# Altium PCB SJ2088POE.PcbDoc (part 6 of 6)
Units mm, origin at the board's own origin, x right, y up, seen from the top; angles counter-clockwise.
Board outline 108 x 50 mm, 6 copper layers (Top Copper, Signal Layer 1, Signal Layer 2, Signal Layer 3, Signal Layer 4, Bottom Copper), stack 1.597 mm thick; 309 components, 234 nets, 1140 pads, 893 vias.
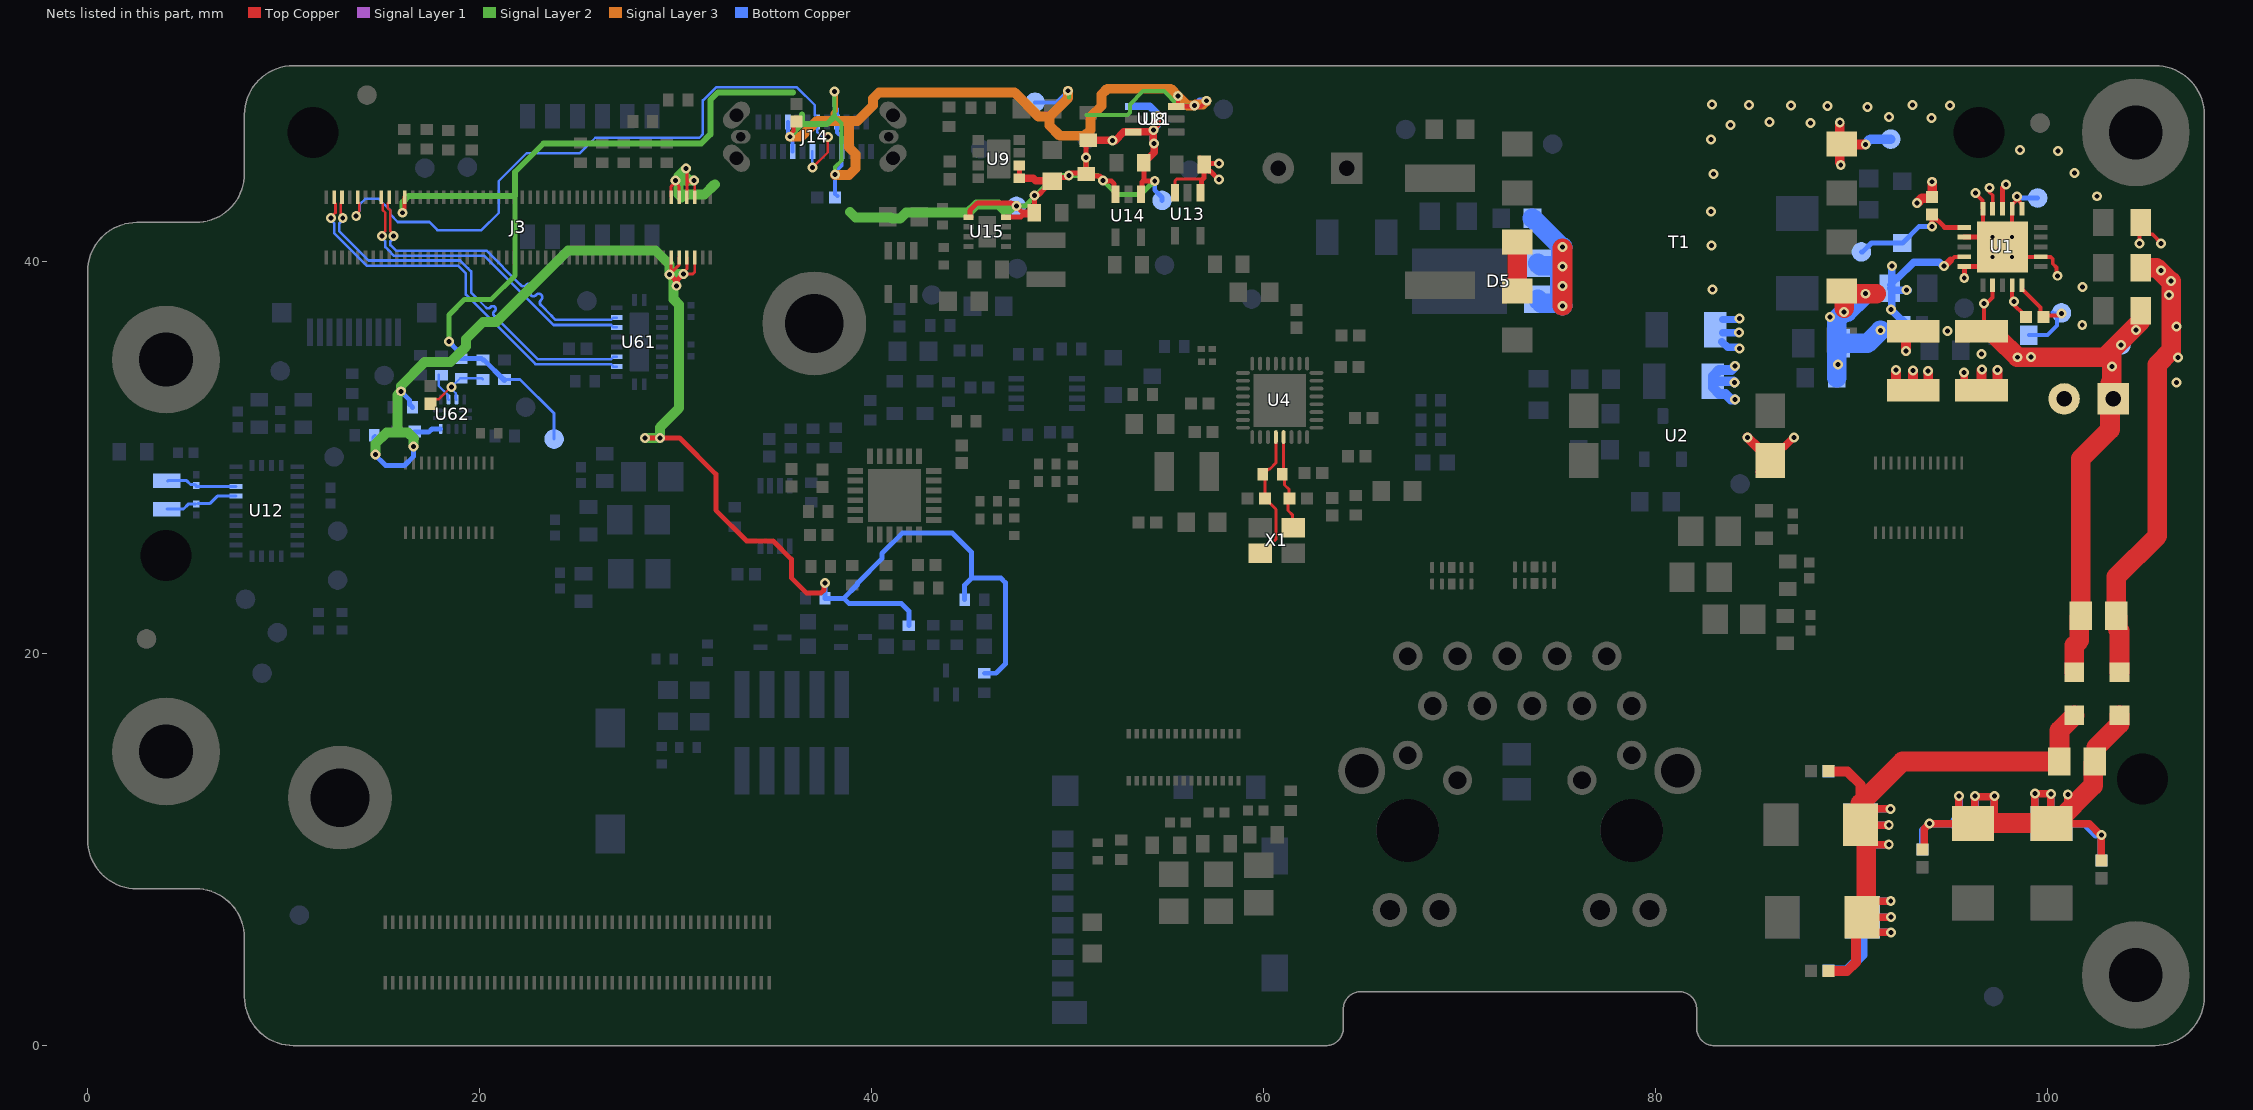
[diagram p10: the nets of this part, all layers, seen from the top]

## Via types
v1: diameter 0.508, hole 0.254, Top Copper to Bottom Copper, tented both sides, 883 vias
v2: diameter 0.406, hole 0.203, Top Copper to Bottom Copper, 10 vias

## Nets (pads, with @x,y where several pads share a name; then routed paths per layer and width w, separated by ;. In a path a pad name is that pad's centre, name@x,y a point inside that pad or via, vN(x,y) a via of type N, cw(c..) or ccw(c..) an arc to the next point about the centre after c; other vN are vias at no path point) (continued)
USB_D_P: J3.92 J14.A6 J14.B6 | length 36
  Top Copper w0.13: v1(13.702,42.325) 13.702,42.427 13.845,42.571 13.845,42.968 13.808,43.005 13.8,43.005 13.775,43.03 J3.92@13.775,43.29 ; v1(36.989,44.809) 37.763,45.583 v1(37.763,46.362)
  Bottom Copper w0.13: v1(13.702,42.325) 13.702,42.422 13.87,42.59 13.87,42.908 14.162,43.2 14.85,43.2 15.446,42.604 15.446,42.4 15.821,42.025 17.433,42.025 17.846,41.612 20.092,41.612 20.975,42.495 20.975,44.108 22.402,45.535 25.109,45.535 25.899,46.325 31.209,46.325 31.394,46.511 31.394,48.23 32.061,48.897 36.19,48.897 37.105,47.982 37.105,47.477 37.225,47.357 J14.A6@37.225,47.132 37.225,46.617 37.433,46.408 37.717,46.408 v1(37.763,46.362)
  Bottom Copper w0.139: v1@13.677,42.325 v1@13.677,42.425 ; v1@13.702,42.422 v1@13.702,42.425 ; J14.B6@36.975,45.622 36.975,44.823 v1(36.989,44.809)
USB_PORT: R32.1 U62.4 | length 1.5
  Bottom Copper w0.127: R32.1@17.915,34.24 17.915,33.66 18.378,33.197 18.378,33.001 U62.4@18.415,32.965
USB_RX_N: J3.96 U61.4 | length 20.3
  Top Copper w0.13: 12.905,42.488 12.905,42.49 ; J3.96@12.975,43.29 12.975,43.03 12.905,42.96 12.905,42.49 ; v1(13.014,42.225) 12.942,42.297 12.942,42.453 12.905,42.49
  Top Copper w0.139: v1(13.014,42.225) v1@13.014,42.269
  Bottom Copper w0.13: v1(13.014,42.225) 13.014,42.128 12.846,41.96 12.846,41.55 14.336,40.06 19.002,40.06 19.378,39.684 19.408,39.654 19.56,39.502 19.56,38.424 20.309,37.675 ; 20.327,37.657 ccw(c20.43,37.76) 20.533,37.657 20.569,37.693 cw(c20.672,37.59) 20.775,37.693 cw(c20.672,37.59) 20.775,37.487 20.737,37.449 ccw(c20.839,37.347) 20.737,37.244 ccw(c20.839,37.347) 20.942,37.244 20.98,37.282 cw(c21.083,37.179) 21.186,37.282 cw(c21.083,37.179) 21.186,37.076 21.15,37.04 ccw(c21.253,36.937) 21.15,36.834 ; 21.162,36.822 22.29,35.694 22.382,35.602 22.956,35.028 26.705,35.028 26.825,35.148 U61.4@27,35.148
USB_RX_P: J3.98 U61.3 | length 19.9
  Top Copper w0.13: v1@12.417,42.275 12.645,42.502 12.645,42.96 12.575,43.03 J3.98@12.575,43.29
  Top Copper w0.139: v1(12.417,42.225) v1@12.417,42.275
  Bottom Copper w0.13: v1(12.417,42.225) 12.417,42.128 12.586,41.96 12.586,41.442 14.228,39.8 18.894,39.8 19.3,39.394 19.3,38.317 22.848,34.768 26.705,34.768 26.825,34.648 U61.3@27,34.648
USB_TX_N: J3.84 U61.8 | length 16.8
  Top Copper w0.13: J3.84@15.375,43.29 15.375,43.03 15.305,42.96 15.305,42.745 15.446,42.604 15.446,41.565 15.614,41.397 v1(15.614,41.3)
  Bottom Copper w0.13: v1(15.614,41.3) 15.614,41.198 15.446,41.029 15.446,40.852 15.738,40.56 20.345,40.56 22.063,38.842 22.109,38.796 ccw(c22.236,38.923) 22.362,38.796 22.385,38.819 cw(c22.512,38.692) 22.638,38.819 cw(c22.512,38.692) 22.638,38.566 22.613,38.541 ccw(c22.74,38.414) 22.613,38.288 ccw(c22.74,38.414) 22.866,38.288 22.891,38.313 cw(c23.018,38.186) 23.144,38.313 cw(c23.018,38.186) 23.144,38.059 23.122,38.037 ccw(c23.248,37.91) 23.122,37.783 23.652,37.253 23.698,37.207 23.877,37.028 26.705,37.028 26.825,37.148 U61.8@27,37.148
USB_TX_P: J3.86 U61.7 | length 16.3
  Top Copper w0.13: J3.86@14.975,43.29 14.975,43.03 15.045,42.96 15.045,42.637 15.186,42.497 15.186,41.565 15.017,41.397 v1(15.017,41.3)
  Bottom Copper w0.13: v1(15.017,41.3) 15.017,41.203 15.186,41.035 15.186,40.745 15.338,40.592 15.63,40.3 20.237,40.3 23.757,36.78 23.769,36.768 24.596,36.768 26.705,36.768 26.825,36.648 U61.7@27,36.648
VBUS: C73.2 C207.2 J3.80 J14.A4 J14.A9 J14.B4 J14.B9 R183.2 R187.1 R190.1 TP20.1 TP40.1 U8.3 U11.1 | length 106.7
  Top Copper w0.203: v1@16.065,42.522 16.065,42.604 16.163,42.703 16.163,43.278 J3.80@16.175,43.29 ; v1@35.825,46.4 35.825,46.482 36.009,46.666 36.009,46.984 C73.2@36.175,47.15 ; v1(55.628,48.455) 55.628,47.998 U8.3@55.578,47.948 ; v1(56.464,47.972) 56.44,47.948 U8.3@55.578,47.948 ; v1(57.095,48.212) 56.808,47.925 U8.3@55.555,47.925 ; U8.3@55.555,47.925 U8.3@55.545,47.925 55.568,47.948 U8.3@55.578,47.948 ; U8.3@55.555,47.925 U8.3@55.578,47.948
  Signal Layer 2 w0.203: v1(38.113,48.674) 38.113,47.412 38.475,47.05 38.475,45.175 38.143,44.843 v1(38.143,44.445) ; v1@50.012,48.725 v1(50.015,48.722) 50.067,48.67 50.067,48.39 ; 50.967,47.49 53.056,47.49 53.175,47.609 53.175,48.025 53.85,48.7 54.913,48.7 55.641,47.972 v1(56.464,47.972)
  Signal Layer 2 w0.254: v1(18.433,35.92) 18.433,37.283 19.225,38.075 20.588,38.075 21.802,39.288 21.802,43.35
  Signal Layer 2 w0.305: v1@16.065,42.522 16.067,42.524 16.067,43.042 16.375,43.35 21.802,43.35 21.802,44.577 23.256,46.031 31.306,46.031 31.775,46.5 31.775,48.25 32.162,48.637 35.988,48.637 ; v1@35.825,46.4 36.45,47.025 ; 36.45,47.5 36.45,47.025 ; 38.113,47.412 37.726,47.025 36.45,47.025
  Signal Layer 3 w0.254: 38.022,47.175 38.022,47.572 38.15,47.7 38.15,48.637 v1(38.113,48.674)
  Signal Layer 3 w0.508: v1(35.825,46.375) 36.4,46.375 37.2,47.175 38.022,47.175 38.845,47.175 ; v1@38.137,44.425 38.85,44.425 39.175,44.75 39.175,45.5 38.845,45.83 38.845,47.175 ; v1(50.015,48.722) 50.015,48.34 49.075,47.4 ; v1(57.095,48.212) 56.915,48.032 56.524,48.032 v1(56.464,47.972) 56.112,47.972 55.87,48.213 v1(55.628,48.455) 55.258,48.825 52.023,48.825 51.725,48.527 51.725,47.95 51.175,47.4 51.175,46.723 50.877,46.425 49.6,46.425 49.075,46.95 49.075,47.4 ; 38.845,47.175 39.275,47.175 40.075,47.975 40.075,48.334 40.373,48.632 40.793,48.632 40.8,48.625 47.3,48.625 48.525,47.4 49.075,47.4
  Bottom Copper w0.152: R183.2@21.264,33.99 22.06,33.99 23.8,32.25 TP40.1@23.8,30.95
  Bottom Copper w0.203: v1@35.725,46.5 J14.A9@35.725,47.132 ; J14.B4@35.975,45.622 v1@35.975,46.25 ; v1(38.113,48.674) 38.113,47.912 38.225,47.8 J14.A4@38.225,47.132 38.234,47.123 38.234,46.591 38.475,46.35 J14.B9@38.475,45.622 38.475,44.9 38.143,44.568 v1(38.143,44.445) 38.143,43.457 C207.2@38.25,43.35 ; TP20.1@48.339,48.134 49.428,48.134 v1(50.015,48.722) ; v1(55.628,48.455) 55.628,47.998 U11.1@55.578,47.948 ; v1(56.464,47.972) v1@56.44,47.948 ; v1@56.496,47.948 v1@56.44,47.948 ; v1@57.071,48.187 v1(57.095,48.212) ; U11.1@55.578,47.948 56.406,47.948 v1@56.44,47.948 ; U11.1@55.578,47.948 55.555,47.925 U11.1@55.545,47.925 55.568,47.948 U11.1@55.578,47.948
  Bottom Copper w0.254: v1(18.433,35.92) 18.864,35.489 18.864,35.2 19.012,35.052 R187.1@19.058,35.052 20.102,35.052 R190.1@20.164,34.99 ; R190.1@20.214,34.99 21.264,33.94 R183.2@21.264,33.99
  Bottom Copper w0.381: U11.1@55.555,47.925 56.383,47.925 v1@56.406,47.948 ; v1@56.496,47.948 56.736,48.187 v1@57.071,48.187
  other v1: 16.065,42.497
VBUS_DET: C97.2 R187.2 R190.2 U62.5 | length 4
  Top Copper w0.127: C97.2@17.491,32.752 17.711,32.972 17.907,32.972 v1(18.551,33.616)
  Bottom Copper w0.127: v1@18.523,33.588 18.523,33.541 18.778,33.286 18.778,33.001 U62.5@18.815,32.965 ; v1(18.551,33.616) 18.572,33.616 19.008,34.052 20.102,34.052 R190.2@20.164,33.99
VDD: C22.2 R12.2 TP11.1 U1.5 | length 6
  Top Copper w0.203: U1.5@98.7,38.8 98.7,38.575 98.723,38.552 98.746,38.552 99.634,37.663 99.634,37.35 C22.2@99.718,37.266 ; C22.2@99.634,37.295 99.663,37.266 C22.2@99.718,37.266 ; C22.2@99.8,37.184 C22.2@99.718,37.266 ; v1(100.712,37.353) 100.629,37.353 100.542,37.266 C22.2@99.718,37.266
  Bottom Copper w0.203: R12.2@99.05,36.25 100,36.25 100.496,36.746 100.496,37.329 TP11.1@100.57,37.403 ; TP11.1@100.25,37.4 100.297,37.353 v1(100.712,37.353)
VDD_5V: C56.2 C61.2 C62.2 C63.2 C65.2 C67.2 C76.2 J3.5 J3.6 J3.7 J3.8 J3.9 J3.10 J3.11 J3.12 R53.2 R54.2 R55.2 R56.2 R213.2 R214.2 TP4.1 TP15.1 U8.6 U9.1 U9.2 U11.6 U13.1 U13.3 U14.1 U14.3 U15.1 U15.8 U62.12 | length 152.5
  Top Copper w0.152: J3.11@29.775,40.21 29.775,39.526 29.698,39.449 v1(29.698,39.353) 30.161,39.816 30.161,40.196 J3.9@30.175,40.21 ; J3.12@29.775,43.29 29.775,43.846 29.986,44.057 30.175,43.869 J3.10@30.175,43.29 ; v1(30.527,44.744) 30.575,44.696 30.575,43.993 ; J3.7@30.575,40.21 30.575,39.636 30.404,39.465 v1(30.404,39.382) 30.882,39.382 30.975,39.475 J3.5@30.975,40.21 ; J3.8@30.575,43.29 30.575,43.993 ; J3.6@30.975,43.29 30.975,44.108 v1(30.943,44.141) 30.875,44.073 30.655,44.073 30.575,43.993 ; C61.2@50.9,44.475 C61.2@50.945,44.475 ; U13.3@55.475,43.525 55.475,44.126 55.564,44.215 56.891,44.215 ; 56.891,44.278 56.954,44.278
  Top Copper w0.254: v1(28.425,31) v1(29.2,31) 30.207,31 32.05,29.157 32.05,27.325 33.625,25.75 34.975,25.75 35.9,24.825 35.9,23.866 36.666,23.1 37.425,23.1 37.577,23.252 37.577,23.548 v1(37.624,23.595) ; v1(29.698,39.353) 29.698,39.344 30,39.042 30,38.82 v1(30.049,38.771) 30.097,38.82 30.097,39.075 v1(30.404,39.382) ; U15.1@44.95,42.275 U15.1@45.01,42.275 ; U15.1@45.073,42.288 45.06,42.275 U15.1@45.01,42.275 ; U15.8@46.85,42.275 46.86,42.285 47.62,42.285 47.723,42.388 48.082,42.388 C67.2@48.082,42.525 ; v1@47.45,42.831 v1(47.381,42.831) ; U9.1@47.535,44.258 U9.2@47.535,44.908 ; C67.2@48.305,42.5 C67.2@48.305,42.525 ; C61.2@50.9,44.475 51.003,44.372 51.628,44.372 51.8,44.2 v1(51.8,44.15) 51.8,44.1 51.825,44.125 52.228,44.125 52.377,43.976 52.377,43.773 52.45,43.7 U14.3@52.45,43.45 ; C61.2@50.9,44.525 50.175,44.525 v1(50.059,44.409) 49.943,44.293 49.402,44.293 C56.2@49.211,44.102 49.209,44.1 49.159,44.1 48.838,43.779 48.838,43.729 48.537,43.428 48.362,43.428 v1(48.314,43.379) 48.314,42.534 C67.2@48.305,42.525 ; C61.2@50.945,44.475 v1(50.945,45.325) 50.945,46.175 52.178,46.175 v1@52.199,46.196 ; U14.1@53.75,43.45 53.803,43.503 53.803,44.078 53.843,44.118 ; C65.2@53.892,45.054 53.892,44.167 53.843,44.118 ; v1@54.309,46.723 54.343,46.723 v1(54.377,46.723) ; v1(54.446,44.118) 53.843,44.118 ; v1(54.585,47.443) v1@54.585,47.507 ; C63.2@56.742,45.284 56.752,45.284 C63.2@56.975,45.061 ; U13.1@56.775,43.525 56.828,43.578 56.828,44.153 56.954,44.278 56.954,45.04 C63.2@56.975,45.061 ; v1(57.718,44.189) 57.27,44.638 57.198,44.638 56.975,44.861 C63.2@56.975,44.961 ; v1(57.728,45.001) 57.016,45.001 C63.2@56.975,44.961 ; U15.1@45.01,42.275 45.023,42.288 45.023,42.623 45.4,43 47.105,43 47.147,42.958 47.185,42.958 47.312,42.831 v1(47.381,42.831) ; v1(47.381,42.831) 47.688,42.525 C67.2@48.082,42.525 ; C67.2@48.082,42.525 48.082,42.748 C67.2@48.305,42.525 ; C67.2@48.082,42.525 C67.2@48.305,42.525 ; C63.2@56.975,44.961 C63.2@56.975,45.061
  Top Copper w0.381: U9.1@47.535,44.258 47.543,44.25 48.25,44.25 48.362,44.138 49.175,44.138 C56.2@49.211,44.102 ; C62.2@51.045,46.196 v1@52.199,46.196 ; v1@52.178,46.175 52.425,46.175 52.875,46.625 U8.6@53.345,46.625 54.245,46.625 v1@54.343,46.723 ; C65.2@53.892,45.054 53.892,45.154 54.052,45.313 54.152,45.313 54.411,45.573 v1(54.411,46.033) 54.411,46.068 54.377,46.101 v1(54.377,46.723) ; v1@54.309,46.723 54.585,46.999 v1(54.585,47.443)
  Signal Layer 2 w0.152: v1@30.15,44.141 v1(30.943,44.141) 30.595,44.488 30.595,44.676 v1(30.527,44.744) ; v1@30.15,44.295 v1@30.527,44.672
  Signal Layer 2 w0.254: v1(47.381,42.831) 47.823,42.831 49.4,44.409 v1(50.059,44.409) 50.792,44.409 ; v1(50.945,45.325) 50.945,44.563 50.792,44.409 ; v1@54.264,43.964 53.725,43.425 52.525,43.425 v1(51.8,44.15) 51.783,44.15 51.524,44.409 50.792,44.409 ; v1@54.277,43.95 v1(54.446,44.118)
  Signal Layer 2 w0.508: v1(14.691,30.156) 14.691,30.716 15.25,31.275 15.8,31.275 ; v1(16.629,30.575) 16.629,30.951 16.652,30.973 16.35,31.275 15.8,31.275 ; v1(28.425,31) v1(29.2,31) 29.2,31.55 30.175,32.525 30.175,37.806 29.9,38.081 29.9,39.151 v1(29.698,39.353) 29.698,39.852 29.336,40.214 28.975,40.575 24.5,40.575 20.85,36.925 20.175,36.925 19.3,36.05 19.3,35.663 18.512,34.875 17.193,34.875 15.98,33.661 v1(15.98,33.388) 15.8,33.208 15.8,31.275 ; v1@29.9,39.382 v1(30.404,39.382) ; v1(29.986,44.131) v1@30.15,44.131 ; 30.3,43.286 30.161,43.425 ; v1(30.527,44.744) 30.15,44.367 30.15,44.295 30.15,44.141 v1@30.15,44.131 ; v1(30.943,44.141) 30.933,44.131 v1@30.15,44.131 ; 32,43.95 31.475,43.425 30.161,43.425 ; 38.895,42.53 39.175,42.25 41,42.25 41.04,42.21 41.46,42.21 41.75,42.5 44.925,42.5 45.35,42.925 46.475,42.925 46.871,42.529 47.173,42.831 v1(47.381,42.831) ; v1@30.15,44.131 30.15,43.436 30.161,43.425
  Bottom Copper w0.254: R213.2@14.65,31.075 14.6,31.025 14.6,30.2 15.2,29.6 16.163,29.6 16.629,30.066 v1(16.629,30.575) 16.671,30.617 16.671,31.309 16.68,31.3 17.4,31.3 17.565,31.465 U62.12@18.015,31.465 ; v1(15.98,33.388) 16.431,32.937 16.431,32.72 R214.2@16.579,32.572 ; v1(37.624,23.595) 37.625,23.593 R56.2@37.625,22.825 38.575,22.825 ; R53.2@41.9,21.425 41.9,22.175 41.525,22.55 38.85,22.55 38.575,22.825 ; R55.2@44.75,22.75 44.75,23.5 45.1,23.85 ; R54.2@45.75,19 46.35,19 46.825,19.475 46.825,23.625 46.6,23.85 45.1,23.85 ; TP4.1@47.25,42.973 TP4.1@47.396,42.827 ; v1(47.381,42.831) TP4.1@47.396,42.816 ; TP4.1@47.396,42.695 TP4.1@47.396,42.816 ; TP4.1@47.396,42.896 TP4.1@47.396,42.827 ; v1(54.377,46.723) 54.377,46.757 v1@54.377,46.79 ; v1(54.446,44.118) 54.446,43.653 54.825,43.274 TP15.1@54.825,43.131 ; v1(54.585,47.443) 54.585,47.477 v1@54.585,47.507 ; 38.575,22.825 39.275,23.525 39.275,23.6 40.525,24.85 40.525,25.11 41.565,26.15 44.125,26.15 45.1,25.175 45.1,23.85 ; TP4.1@47.396,42.816 TP4.1@47.396,42.827 ; TP4.1@47.396,42.816 47.461,42.751 47.472,42.751 TP4.1@47.396,42.827
  Bottom Copper w0.381: U11.6@53.345,47.925 54.187,47.925 54.522,47.591 54.522,47.541 v1@54.585,47.477 ; v1(54.377,46.723) 54.377,46.101 54.411,46.068 v1(54.411,46.033) ; v1@54.377,46.757 54.585,46.965 v1(54.585,47.443)
  other v1: 52.301,46.175
VNEG: C8.1 C25.1 FB3.2 R10.1 TP13.1 U1.7 U1.11 U1.12 U1.14 U1.15 U1.17 U1.20 U1.21 | length 37.8
  Top Copper w0.178: v1(97.034,43.773) 97.034,43.546 97.2,43.381 U1.14@97.2,42.7
  Top Copper w0.203: v1(96.319,43.512) 96.319,43.486 96.677,43.128 96.677,42.723 U1.15@96.7,42.7 U1.21@96.7,41.862 ; U1.21@97.7,40.75 v2(98.2,40.25) U1.7@99.65,40.25 100.148,40.25 100.267,40.131 100.267,39.895 100.45,39.713 100.45,39.34 v1(100.508,39.281) ; U1.21@98.2,41.862 U1.12@98.2,42.7 98.2,42.925 v1@98.359,43.084 ; v1@98.515,43.11 98.7,42.925 U1.11@98.7,42.7
  Top Copper w0.254: U1.17@95.75,41.25 U1.21@96.588,41.25 ; v1(95.752,39.164) v1(95.752,39.164) 95.753,39.748 U1.20@95.75,39.75 U1.21@96.588,39.75
  Top Copper w1: FB3.2@103.673,19.05 103.673,21.158 103.575,21.256 103.575,21.849 C8.1@103.5,21.924 103.5,23.916 105.6,26.016 105.6,34.75 106.311,35.461 v1(106.311,39.007) 106.243,39.007 105.55,39.7 R10.1@104.75,39.7
  Bottom Copper w0.254: v1@98.35,43.412 v1(98.437,43.325) 98.512,43.25 TP13.1@99.5,43.25
  Bottom Copper w0.381: C25.1@83.375,35.925 83.675,35.625 84.135,35.625 84.161,35.599 84.251,35.599 v1(84.275,35.575) ; C25.1@83.423,36.377 v1(84.268,36.377) ; C25.1@83.431,37.05 v1@84.275,37.05
  other v1: 106.578,33.829 106.655,35.115 106.575,36.7 101.773,36.776 84.275,37.1 106.2,38.3 82.9,38.575 101.795,38.711 105.793,39.55 82.85,40.825 82.825,42.55 102.524,43.339 82.95,44.475 101.376,44.522 100.531,45.653 98.588,45.693 82.825,46.225 83.831,46.975 87.9,47.075 85.825,47.125 94.075,47.325 91.922,47.381 90.825,47.9 88.775,47.95 86.9,47.975 95.025,47.975 84.775,48 93.1,48 82.875,48.025
  other v2: 97.2,40.25 97.2,41.25 98.2,41.25
VNEG_IN: C14.1 C15.1 C16.1 C17.1 C33.1 D8.2 D9.2 D10.2 D11.2 FB3.1 | length 47.2
  Top Copper w0.381: C14.1@93.629,10 93.7,10.071 93.7,11.057 v1(93.975,11.332) D11.2@96.2,11.332 ; D11.2@95.481,11.901 v1@95.481,12.711 ; v1@96.226,12.704 v1@96.29,12.704 ; D11.2@96.29,11.894 v1@96.29,12.704 ; v1(96.29,12.739) v1@96.29,12.704 ; 97.29,11.894 v1@97.29,12.704 ; v1(97.29,12.739) v1@97.29,12.704 ; v1@97.328,12.704 v1@97.29,12.704 ; D10.2@99.36,12.015 v1(99.36,12.859) v1@100.168,12.859 ; D10.2@100.168,11.995 v1(100.168,12.84) ; D10.2@100.391,11.332 102.125,11.332 102.747,10.71 C15.1@102.747,9.441 ; D10.2@101.034,11.975 v1(101.034,12.82) ; v1@96.29,12.704 v1@97.29,12.704
  Top Copper w1: D10.2@100.427,11.369 102.332,13.273 102.332,14.42 102.482,14.57 102.482,15.217 103.673,16.408 FB3.1@103.673,16.85
  Top Copper w1.016: D11.2@96.2,11.332 96.237,11.369 D10.2@100.427,11.369
  Bottom Copper w0.381: C16.1@93.629,10 93.629,10.986 v1(93.975,11.332) D9.2@96.2,11.332 D8.2@100.2,11.332 101.875,11.332 102.459,10.748 v1(102.764,10.748) 102.747,10.731 C17.1@102.747,9.441 ; D9.2@95.5,11.75 v1@95.5,12.594 ; D9.2@96.315,11.835 v1@96.315,12.68 ; 97.29,11.894 v1(97.29,12.739) ; D8.2@99.36,12.015 v1(99.36,12.859) ; D8.2@100.168,11.995 v1(100.168,12.84) ; D8.2@101.046,11.957 v1@101.046,12.801
  Bottom Copper w1.016: D9.2@95.534,11.369 D8.2@100.285,11.369
  other v1: 95.481,12.746
VPOS: C1.2 C2.1 C3.2 C4.2 C8.2 C26.1 FB2.2 R4.2 R8.1 R11.1 T1.4 TP5.1 U1.2 U1.13 | length 49.1
  Top Copper w0.2: C3.2@96.625,36.577 96.76,36.712 v1(96.76,37.862) 96.881,37.862 97.2,38.181 U1.2@97.2,38.8 ; v1(104.701,40.936) 104.701,41.951 R8.1@104.75,42 104.75,41.825 105.175,41.4 105.35,41.4 105.8,40.95 v1(105.8,40.925) ; R8.1@104.757,42.349 R8.1@104.757,42.524
  Top Copper w0.254: U1.13@97.7,42.7 97.7,43.775 v1(97.875,43.95)
  Top Copper w0.508: v1(92.775,35.431) 92.775,36.129 93.096,36.45 C1.2@93.15,36.45
  Top Copper w1: T1.4@89.5,38.5 T1.4@89.623,38.377 ; v1@89.623,37.636 T1.4@89.623,38.377 ; 91.258,38.365 v1(90.709,38.365) 89.635,38.365 T1.4@89.623,38.377 ; C3.2@96.625,36.45 97.4,36.45 97.475,36.375 97.475,36.114 v1(98.464,35.124) ; v1@98.464,35.133 v1(99.166,35.133) 102.933,35.133 103.286,35.486 ; FB2.2@101.373,19.05 101.373,20.423 101.625,20.675 101.625,21.849 C8.2@101.7,21.924 101.7,29.95 103.189,31.439 103.189,32.989 103.2,33 103.2,33.8 103.25,33.8 103.286,33.836 v1(103.286,34.661) 103.286,35.486 ; R11.1@104.725,36.925 103.286,35.486
  Signal Layer 1 w0.254: v1(97.875,43.95) v1@97.944,43.95
  Bottom Copper w0.508: v1(84.03,33.836) 83.966,33.9 C26.1@82.925,33.9 ; v1(84.055,32.972) 83.853,32.972 83.571,33.254 83.246,33.254 82.925,33.575 C26.1@82.925,33.9 ; v1(84.062,34.668) 83.878,34.484 83.246,34.484 82.925,34.163 C26.1@82.925,33.9
  Bottom Copper w1: R4.2@89.243,34.082 89.243,37.045 v1(89.623,37.425) 89.769,37.425 v1@90.548,38.203 ; C4.2@89.343,35.832 C4.2@89.418,35.832 ; C4.2@89.5,35.75 C4.2@89.418,35.832 ; v1(91.479,36.5) 90.811,35.832 C4.2@89.418,35.832
  other v1: 89.305,34.76 96.621,35.284 103.75,35.75 94.892,36.468 104.514,36.509 88.903,37.185
VPOS_IN: C10.2 C12.2 C13.2 C33.2 C54.2 D12.1 D13.1 D14.1 D15.1 FB2.1 | length 45.5
  Top Copper w0.381: D12.1@90.457,11.376 91.155,12.075 v1(92,12.075) ; D12.1@91.055,10.25 v1(91.9,10.25) ; D12.1@91.055,11.25 v1(91.9,11.25) ; D14.1@91.157,7.372 v1(92.001,7.372) ; D14.1@91.173,6.553 v1(92.017,6.553) ; D14.1@91.185,5.759 91.202,5.775 v1(92.004,5.775)
  Top Copper w0.508: C54.2@88.825,3.8 89.775,3.8 90.225,4.25 90.225,6.248 D14.1@90.53,6.553 ; C13.2@88.825,14.01 88.86,13.975 89.8,13.975 90.457,13.318 90.457,12.355 D12.1@90.457,11.376
  Top Copper w1.016: D12.1@90.457,11.275 90.75,10.982 90.75,6.773 D14.1@90.53,6.553 ; 90.457,12.355 92.598,14.495 C33.2@100.607,14.495 100.607,16.084 FB2.1@101.373,16.85
  Bottom Copper w0.381: C12.2@88.825,14 88.85,13.975 89.8,13.975 90.457,13.318 D13.1@90.457,11.275 ; D13.1@91.055,10.25 v1(91.9,10.25) ; D13.1@91.055,11.25 v1(91.9,11.25) ; D13.1@91.155,12.075 v1(92,12.075) ; D15.1@91.157,7.372 v1(92.001,7.372) ; D15.1@91.173,6.553 v1(92.017,6.553) ; D15.1@91.185,5.759 91.202,5.775 v1(92.004,5.775)
  Bottom Copper w0.508: C10.2@88.825,3.825 89.75,3.825 90.557,4.632 D15.1@90.557,6.55
VSEC: C5.2 D5.2 T1.7 T1.8 | length 12.6
  Top Copper w1: T1.8@72.95,41 T1.7@72.95,38.5 T1.7@73,38.5 ; v1(75.25,37.75) v1(75.25,38.75) v1(75.25,39.75) v1@75.25,40.681
  Bottom Copper w1: C5.2@73.718,42.226 v1@75.217,40.727 ; D5.2@73.982,38.08 74.177,37.885 v1@75.115,37.885 ; D5.2@73.982,39.92 74.119,39.783 74.785,39.783 ; v1@75.115,39.681 75.115,38.75 v1@75.115,37.885 ; v1@75.164,39.836 75.164,40.664 v1(75.25,40.75) ; v1(75.25,37.75) v1@75.115,37.885
VSS: C1.1 C2.2 C3.1 C11.1 C22.1 C24.1 R13.2 T1.1 TP12.1 U1.4 U1.19 U2.3 | length 29.9
  Top Copper w0.203: 95.105,40.083 95.253,40.231 95.502,40.231 95.521,40.25 U1.19@95.75,40.25 ; U1.4@98.2,38.8 98.2,38.141 98.343,37.998 98.343,37.747 98.691,37.398 98.691,37.393 98.921,37.162 C22.1@98.927,37.162
  Top Copper w0.381: U2.3@85.858,29.855 85.858,29.912 86.501,30.554 86.558,30.554 87.03,31.027 v1(87.061,31.027) ; v1@94.724,39.756 95.051,40.083 ; C3.1@95.698,33.764 95.74,33.807 v1(95.74,34.356)
  Top Copper w0.5: v1(84.697,31.038) 85.24,30.495 85.348,30.495 85.588,30.255 U2.3@85.588,30.125 ; U2.3@85.348,29.262 85.858,29.772 U2.3@85.858,29.855 ; U2.3@85.57,30.107 U2.3@85.588,30.125 ; U2.3@85.87,30.308 U2.3@85.904,30.342 ; U2.3@85.876,29.873 U2.3@85.858,29.855 ; v1@89.4,45.05 T1.1@89.4,45.95 ; v1@89.4,47 89.4,46.1 T1.1@89.5,46 89.523,45.977 90.673,45.977 v1@90.675,45.975 ; v1(92.262,34.465) 92.262,33.763 92.612,33.412 C1.1@93.187,33.412 ; v1(93.131,34.438) 93.131,33.506 93.112,33.487 C1.1@93.15,33.45 C1.1@93.187,33.412 ; v1(93.91,34.431) 93.91,33.74 93.912,33.737 93.587,33.412 C1.1@93.187,33.412 ; C11.1@94.04,43.36 C11.1@94.1,43.3 ; v1(94.114,44.079) 94.114,43.314 C11.1@94.1,43.3 ; C3.1@95.698,33.764 96.023,33.439 C3.1@96.614,33.439 ; v1(96.649,34.489) 96.649,34.486 96.636,34.473 96.636,33.461 C3.1@96.625,33.45 C3.1@96.614,33.439 ; v1(97.448,34.477) 97.446,34.476 97.446,33.764 97.121,33.439 C3.1@96.614,33.439 ; U2.3@85.588,30.125 U2.3@85.858,29.855 ; v1@93.354,43.002 93.592,43.24 94.04,43.24 C11.1@94.1,43.3 ; v1@93.354,43.002 93.352,43.002 v1(93.35,43) 93.352,43 v1@93.354,43.002
  Bottom Copper w0.381: R13.2@92.01,38.635 R13.2@92.064,38.58 ; R13.2@92.01,38.81 R13.2@92.064,38.864 ; v1(92.064,39.772) R13.2@92.064,38.864 ; R13.2@92.092,38.552 v1@92.89,38.552 ; C24.1@92.7,36.925 92.581,37.045 92.53,37.045 v1(92.012,37.563) 92.012,37.597 92.064,37.649 R13.2@92.064,38.58 ; v1(94.707,39.774) 94.673,39.774 94.481,39.966 93.166,39.966 92.344,39.144 92.294,39.144 92.064,38.914 R13.2@92.064,38.864 ; R13.2@92.064,38.58 R13.2@92.064,38.864
  Bottom Copper w0.5: v1@90.675,45.975 90.677,45.975 90.952,46.25 TP12.1@92,46.25
  other v1: 98.284,37.974 92.815,38.552 89.45,44.925 90.725,45.975 89.4,47.1
VT15V: C11.2 D2.1 TP8.1 U1.16 | length 6.7
  Top Copper w0.254: v1(94.1,41.8) C11.2@94.1,42.4 94.75,41.75 U1.16@95.75,41.75
  Bottom Copper w0.254: TP8.1@90.5,40.5 90.57,40.5 91.022,40.952 D2.1@92.58,40.952 92.605,40.952 93.454,41.8 v1(94.1,41.8)
XI: C48.2 R47.1 U4.28 X1.1 | length 6.8
  Top Copper w0.152: X1.1@59.823,25.125 59.923,25.125 60.398,25.6 60.4,25.6 60.631,25.831 60.631,27.367 C48.2@60.073,27.925 60.073,29.175 60.073,29.225 60.272,29.424 60.322,29.424 60.623,29.725 U4.28@60.623,31.05
XIN: C96.2 U12.27 Y1.1 | length 3.6
  Bottom Copper w0.152: Y1.1@4.075,28.8 4.1,28.825 5.05,28.825 5.245,28.63 5.482,28.63 C96.2@5.543,28.569 ; C96.2@5.525,28.55 5.537,28.538 U12.27@7.563,28.538
XO: C49.2 R47.2 U4.29 X1.3 | length 4.9
  Top Copper w0.152: U4.29@61.023,31.05 61.023,29.225 61.073,29.175 61.073,28.609 61.308,28.374 61.308,27.94 C49.2@61.323,27.925 61.25,27.852 61.25,27.3 61.486,27.064 61.486,26.462 X1.3@61.523,26.425
XOUT: C95.2 U12.26 Y1.2 | length 3.7
  Bottom Copper w0.152: Y1.2@4.043,27.369 4.057,27.382 4.882,27.382 5.125,27.625 C95.2@5.5,27.625 ; C95.2@5.625,27.65 6.225,27.65 6.613,28.038 U12.26@7.563,28.038
pads on no net: FID1.1 FID2.1 FID3.1 FID4.1 FID5.1 FID6.1 J1. J2.2 J2.4 J2.6 J2.8 J2.10 J2.12 J2.14 J2.16 J2.18 J2.20 J2.22 J2.24 J2.26 J2.43 J2.44 J2.45 J2.46 J2.47 J2.48 J2.49 J2.50 J2.51 J2.52 J2.53 J2.54 J2.55 J2.56 J2.57 J2.58 J3.17 J3.19 J3.21 J3.23 J3.25 J3.27 J3.29 J3.31 J3.33 J3.35 J3.37 J3.39 J3.41 J3.43 J3.45 J3.46 J3.47 J3.48 J3.49 J3.50 J3.51 J3.52 J3.53 J3.54 J3.55 J3.56 J3.58 J3.60 J3.62 J3.64 J3.66 J3.68 J3.70 J3.72 J3.74 J3.76 J4.11 J4.12 J5.3 J5.6 J5.8 J6.16 J6.21 J6.22 J14.A8 J14.B8 T1.5 T1.6 U7.2 U7.9 U7.10 U7.11 U7.22 U10.4 U12.1 U12.7 U12.8 U12.12 U12.13 U12.21 U12.22 U12.23 U12.24 U13.4 U14.4 U15.6 U61.1 U61.10 U62.9
copper on no net:
  other v1: 61.725,18.983

## Polygon pours and split planes (outlines as drawn)
GND on Bottom Copper "GND-L6" (solid, remove dead copper, pour order 487): 90.206,31.165 88.591,29.55 83.125,29.55 81.51,31.165 79.975,31.165 80,31.19 80,50 10.5,50 ccw(c10.5,47.5) 8,47.5 8,44.5 cw(c5.5,44.5) 5.5,42 2.5,42 ccw(c2.5,39.5) 0,39.5 0,10.5 ccw(c2.5,10.5) 2.5,8 5.5,8 cw(c5.5,5.5) 8,5.5 8,2.5 ccw(c10.498,2.498) 10.495,0 63.183,0 ccw(c63.183,0.887) 64.07,0.887 64.07,1.862 cw(c64.958,1.862) 64.958,2.749 81.211,2.749 cw(c81.211,1.862) 82.098,1.862 82.098,0.887 ccw(c82.986,0.887) 82.986,0 105.5,0 ccw(c105.5,2.5) 108,2.5 108,47 ccw(c105.25,47.25) 105,50 103.5,50 103.5,31.165
VNEG on Bottom Copper "VNEG_L6" (solid, remove dead copper, pour order 484): 82.571,35.371 86.571,35.371 86.575,34.007 103,34.001 103,43.5 98.15,48.35 82.517,48.35
GND on Signal Layer 1 "GND-L2" (solid, pour order 485): 81.675,31.201 81.675,28.425 88.075,28.425 90.8,31.201 108,31.201 108,2.5 cw(c105.5,2.5) 105.5,0 82.986,0 cw(c82.986,0.887) 82.098,0.887 82.098,1.862 ccw(c81.211,1.862) 81.211,2.749 64.958,2.749 ccw(c64.958,1.862) 64.07,1.862 64.07,0.887 cw(c63.183,0.887) 63.183,0 10.495,0 cw(c10.497,2.497) 8,2.5 8,5.5 ccw(c5.5,5.5) 5.5,8 2.5,8 cw(c2.5,10.5) 0,10.5 0,39.5 cw(c2.5,39.5) 2.5,42 5.5,42 ccw(c5.5,44.5) 8,44.5 8,47.5 cw(c10.5,47.5) 10.5,50 80,50 80,31.201
VSS on Signal Layer 1 "VSS_L2" (solid, remove dead copper, pour order 460): 83.206,30.525 88.05,30.525 89.975,32.45 107.025,32.45 107.025,39.975 98.65,48.35 83.131,48.35
GND on Signal Layer 2 "GND-L3" (solid, remove dead copper, pour order 488): 88.6,31.201 88.6,29.275 84.175,29.275 82.249,31.201 80,31.201 80,50 10.5,50 ccw(c10.5,47.5) 8,47.5 8,44.5 cw(c5.5,44.5) 5.5,42 2.5,42 ccw(c2.5,39.5) 0,39.5 0,10.5 ccw(c2.5,10.5) 2.5,8 5.5,8 cw(c5.5,5.5) 8,5.5 8,2.5 ccw(c10.497,2.497) 10.495,0 63.183,0 ccw(c63.183,0.887) 64.07,0.887 64.07,1.862 cw(c64.958,1.862) 64.958,2.749 81.211,2.749 cw(c81.211,1.862) 82.098,1.862 82.098,0.887 ccw(c82.986,0.887) 82.986,0 105.5,0 ccw(c105.5,2.5) 108,2.5 108,31.201
VDD_5V on Signal Layer 2 "VDD_5V_L3" (solid, remove dead copper, pour order 483): 32.147,45.75 32.147,45.141 33.81,43.479 44.053,43.479 46.287,45.75 51.25,45.75 53.25,47.75 59,47.75 59,42.75 55.25,39 41.75,39 37.5,34.75 31.5,34.75 30.693,33.943 30.693,32.525 29.718,31.55 29.718,30.785 29.454,30.521 28.227,30.521 27,31.748 27,37 26.25,37.75 25.711,37.75 24.238,36.277 24.238,34.937 21.688,34.937 21.25,34.5 21.25,32 19.913,30.662 19.049,30.662 18.542,30.156 14.691,30.156 14.691,33.661 22.25,41.22 22.25,44.25 23.75,45.75
3V3 on Signal Layer 2 "3V3_L3" (solid, remove dead copper, pour order 478): 44,23.5 48.5,28 48.5,32.442 49.578,33.52 49.578,34.922 49,35.5 44.5,35.5 42.629,37.371 40.371,37.371 37.5,34.5 31.5,34.5 28.5,31.5 27.5,31.5 27,32 27,36.5 25.801,37.699 23.699,37.699 21.5,35.5 21.5,32 19.75,30.25 15.75,30.25 14.5,31.5 14.5,33.25 16.5,35.25 16.5,36.5 13.5,36.5 9.3,32.3 6.45,32.3 5.919,31.769 5.919,30.081 12.5,23.5
VPOS on Signal Layer 2 "VPOS_L3" (solid, remove dead copper, pour order 461): 99,32.45 99,33.5 86.5,33.5 86.5,32.45 82.559,32.45 82.559,48.35 98.9,48.35 107.025,40.225 107.025,32.45
VBUS on Signal Layer 2 "VBUS_L3" (solid, remove dead copper, pour order 468): 34.25,45.535 36.715,45.535 37,45.25 37,44.065 37.398,43.667 43.742,43.667 46.05,45.975 50.975,45.975 52.25,47.25 53.038,47.25 53.538,47.75 55.35,47.75 55.385,47.715 58.215,47.715 58.25,47.75 58.25,49.25 34.25,49.25
3V3 on Signal Layer 2 "3V3_L3_2" (solid, remove dead copper, pour order 477): 52.5,30.97 52.78,30.69 55.78,30.69 56,30.91 56,32.5 60,36.5 62.5,36.5 63,37 64.5,37 65.5,36 65.5,33.5 64.5,32.5 64.5,30 61,26.5 61,19.242 62.242,18 65,18 65,23 69.5,27.5 69.5,37.5 67.5,39.5 56,39.5 52.5,36
PCIE_1V0 on Signal Layer 2 "PCIE_1V0_L3" (solid, remove dead copper, pour order 464): 52.5,30.375 54.625,30.375 56,30.375 56.475,30.85 56.475,32.475 60,36 62,36 62.577,36.577 64.423,36.577 65,36 65,33.5 64.5,33 64.5,30.419 62.081,28 52.5,28
GND on Top Copper "GND-L1" (solid, remove dead copper, pour order 490): 64.07,15.57 64.5,16 80.742,16 82.098,14.643 82.098,0.887 ccw(c82.986,0.887) 82.986,0 105.5,0 ccw(c105.5,2.5) 108,2.5 108,9.347 98.5,9.347 98.5,31.201 80,31.201 80,50 10.5,50 ccw(c10.5,47.5) 8,47.5 8,44.5 cw(c5.5,44.5) 5.5,42 2.5,42 ccw(c2.5,39.5) 0,39.5 0,10.5 ccw(c2.5,10.5) 2.5,8 5.5,8 cw(c5.5,5.5) 8,5.5 8,2.5 ccw(c10.497,2.497) 10.495,0 63.183,0 ccw(c63.183,0.887) 64.07,0.887
VPOS_IN on Top Copper "VPOS_IN_l1" (solid, remove dead copper, pour order 470): 92.375,5 93,5.625 93,12 94,13 100.5,13 101.5,14 101.5,15.5 101.873,15.873 101.873,17.35 100.35,17.35 99.5,16.5 99.5,15.5 90,15.5 88.5,14 88.5,5
VNEG on Top Copper "VNEG_L1" (solid, remove dead copper, pour order 492): 82.379,33.575 107.025,33.575 107.025,39.975 98.65,48.35 82.35,48.35
5V_PoE on Top Copper "5V_POE_L1" (solid, remove dead copper, pour order 467): 72,43.5 70.5,42 58.344,42 58.344,45.156 58,45.5 55.25,45.5 55,45.75 55,46.98 55.27,47.25 57,47.25 57.5,47.75 59,47.75 72,47.75
VNEG_IN on Top Copper "VNEG_IN_l1" (solid, remove dead copper, pour order 471): 94.25,12.75 93.25,11.75 93.25,9.759 93.319,9.69 107,9.69 107,17 106.807,17.193 103.544,17.193 101.832,15.481 101.832,13.832 100.75,12.75
VNEG on Top Copper "VNEG_l1" (solid, remove dead copper, pour order 473): 106.025,18.513 106.025,28.665 107,30.147 107,40.5 104.225,40.5 104.225,39 105.275,39 105.75,38.525 105.75,35.75 105,35 105,31.175 103.173,29.348 103.173,18.55
VPOS on Top Copper "tga" (solid, remove dead copper, pour order 472): 102.5,18.5 102.5,29.625 104.5,31.625 104.5,35 105.25,35.75 105.25,38.2 104.225,38.2 104.225,37.049 103.426,36.25 98.5,36.25 97.575,37.175 97.575,38.8 96.925,38.8 96,37.875 96,37 94.5,37 92.25,39.25 88.25,39.25 88.25,37.5 88.5,37.25 90,37.25 90.5,36.75 90.5,35 91.5,34 97.25,34 99.75,31.5 99.75,18.5
VSEC on Top Copper "VSEC_L1" (solid, remove dead copper, pour order 479): 72,42 72,37 76.5,37 76.5,42
3V3 on Top Copper "3V3_L1" (solid, remove dead copper, pour order 475): 45.5,48.75 45.5,47.5 45,47 45,45.784 45.214,45.571 48.155,45.571 48.27,45.686 48.25,45.706 48.25,46.75 48.75,47.25 48.75,48.75
1V2 on Top Copper "1V2_L1" (solid, remove dead copper, pour order 469): 56,41.75 56,40 56.75,39.25 58,39.25 58.5,39.75 58.5,41.75
GND on Signal Layer 3 "GND-L4" (solid, remove dead copper, pour order 486): 88.425,31.201 88.425,29.75 82.825,29.75 82.825,31.201 80,31.201 80,50 10.5,50 ccw(c10.5,47.5) 8,47.5 8,44.5 cw(c5.5,44.5) 5.5,42 2.5,42 ccw(c2.5,39.5) 0,39.5 0,10.5 ccw(c2.5,10.5) 2.5,8 5.5,8 cw(c5.5,5.5) 8,5.5 8,2.5 ccw(c10.497,2.497) 10.495,0 63.183,0 ccw(c63.183,0.887) 64.07,0.887 64.07,1.862 cw(c64.958,1.862) 64.958,2.749 81.211,2.749 cw(c81.211,1.862) 82.098,1.862 82.098,0.887 ccw(c82.986,0.887) 82.986,0 105.5,0 ccw(c105.5,2.5) 108,2.5 108,31.201
VNEG on Signal Layer 3 "VNEG_L4" (solid, remove dead copper, pour order 462): 82.379,33.575 107.025,33.575 107.025,39.975 98.65,48.35 82.35,48.35
GND on Signal Layer 4 "GND-L4" (solid, remove dead copper, pour order 489): 90.4,31.201 90.4,29.325 81.65,29.325 81.65,31.2 80,31.2 80,50 10.5,50 ccw(c10.5,47.5) 8,47.5 8,44.5 cw(c5.5,44.5) 5.5,42 2.5,42 ccw(c2.5,39.5) 0,39.5 0,10.5 ccw(c2.5,10.5) 2.5,8 5.5,8 cw(c5.5,5.5) 8,5.5 8,2.5 ccw(c10.497,2.497) 10.495,0 63.183,0 ccw(c63.183,0.887) 64.07,0.887 64.07,1.862 cw(c64.958,1.862) 64.958,2.749 81.211,2.749 cw(c81.211,1.862) 82.098,1.862 82.098,0.887 ccw(c82.986,0.887) 82.986,0 105.5,0 ccw(c105.5,2.5) 108,2.5 108,31.201
VSS on Signal Layer 4 "VSS_L5" (solid, remove dead copper, pour order 491): 83.206,30.525 87.25,30.525 89.175,32.45 107.025,32.45 107.025,39.975 98.65,48.35 83.131,48.35

## Keep-outs
Top Copper:
  region: 99,32.593 88.9,32.593 88.9,31.418 99,31.418
  rectangle: 82.034,27.9 89.043,28.775
  region: 87.875,32.725 87.875,28.7 89.05,28.7 89.05,32.725
  region: 98.48,31.55 98.48,19.5 99.475,19.5 99.475,31.55
  region: 82.418,27.925 82.418,49.362 80,49.362 80,27.925
Bottom Copper:
  region: 83.964,30.441 81.484,32.921 80.896,32.332 83.376,29.853
  rectangle: 83.376,29.853 88.576,30.609
  region: 87.677,32.305 87.677,29.975 88.6,29.975 88.6,32.305
  region: 80.918,49.3 80.918,32.06 81.841,32.06 81.841,49.3
  region: 99.261,32.366 87.668,32.366 87.668,31.443 99.261,31.443

## Silkscreen, mask and mechanical layers (free items; w line width, h text height)
Top Overlay:
  drawing of 20 lines, arcs and shapes, not listed
  text "100/1000 PoE" at 69.7,21.75 h1.52
  text ".project_title / .revision1" at 39.85,3.548 h1.5
Bottom Overlay:
  drawing of 22 lines, arcs and shapes, not listed
  text "VBUS" at 52.87,47.898 h1.5
  text "5V_PoE" at 63.696,47.318 h1.5
  text "VSS" at 90.749,45.766 h1.5
  text "USB3.0" at 43.45,44.075 h1.52 r270
  text "VNEG" at 98.499,42.766 h1.5
  text "MODULE_JTAG" at 18.575,42.75 h1.5
  text "5V" at 50.087,42.43 h1.5
  text "e" at 83.948,40.928 h8
  text "2V8" at 58.33,39.452 h1.5
  text "1V05" at 51.25,39.266 h1.5
  text "VDD" at 101.621,39.144 h1.5
  text "W" at 107.022,38.2 h6
  text "1V2" at 62.526,37.594 h1.5
  text "VPOS" at 105.699,36.606 h1.5
  text "nRST" at 37.191,23.65 h1.5 r270
  text "PG" at 40.162,23.174 h1.5 r270
  text "5V" at 48.14,20.77 h1.5
  text ".project_title / .revision" at 100.225,20.425 h1.5 r270
  text "J5 Header" at 40.224,16.304 h1.5 r90
  text "2485_WAKEUP" at 46.326,15.958 h0.97 r90
  text "2485_PGOOD" at 45.069,15.633 h1 r90
  text "MOD_nRST" at 42.529,14.675 h1 r90
  text "RIGHT" at 95.85,14.516 h1.52
  text "LEFT" at 19.875,14.25 h1.52
  text "GND" at 47.703,11.786 h1 r90
  text "NC" at 43.883,11.08 h1 r90
  text "I2C3_SCL" at 42.529,8.622 h1 r90
  text "I2C3_SDA" at 43.799,8.622 h1 r90
  text "NC" at 45.153,8.622 h1 r90
  text "NC" at 46.423,8.622 h1 r90
  text "GND" at 47.703,8.622 h1 r90
  text "MOD_RST" at 29.69,8.419 h1.5
  text "OAK-D-PoE" at 25.082,3.791 h3
  text "o" at 14.825,1 h15
Board:
  circle w0.006: c-5.188,6.125 r0.003
  circle w0.006: c-5.188,6.125 r0.003
  lines w0.15: 10.495,0 63.183,0 ccw(c63.183,0.887) 64.07,0.887 64.07,1.862 cw(c64.958,1.862) 64.958,2.749 81.211,2.749 cw(c81.211,1.862) 82.098,1.862 82.098,0.887 ccw(c82.986,0.887) 82.986,0 105.5,0 ccw(c105.5,2.5) 108,2.5 108,47.5 ccw(c105.5,47.5) 105.5,50 10.5,50 ccw(c10.5,47.5) 8,47.5 8,44.5 cw(c5.5,44.5) 5.5,42 2.5,42 ccw(c2.5,39.5) 0,39.5 0,10.5 ccw(c2.5,10.5) 2.5,8 5.5,8 cw(c5.5,5.5) 8,5.5 8,2.5 ccw(c10.5,2.5) 10.5,0 ; 88.45,16.05 98.5,16.05 ccw(c98.5,17.05) 99.5,17.05 99.5,18.05 ccw(c98.5,18.05) 98.5,19.05 88.5,19.05 ccw(c88.5,18.05) 87.5,18.05 87.5,17.05 ccw(c88.5,17.05) 88.5,16.05 ; 12.5,17.05 ccw(c13.5,17.05) 13.5,16.05 23.5,16.05 ccw(c23.5,17.05) 24.5,17.05 24.5,18.05 ccw(c23.5,18.05) 23.5,19.05 13.5,19.05 ccw(c13.5,18.05) 12.5,18.05 12.5,17.05 ; 50.923,18.512 ccw(c51.923,18.512) 51.923,17.512 59.923,17.512 ccw(c59.923,18.512) 60.923,18.512 60.923,19.512 ccw(c59.923,19.512) 59.923,20.512 51.923,20.512 ccw(c51.923,19.512) 50.923,19.512 50.923,18.512
mech4:
  circle w0.013: c18.419,25.95 r1.5
  circle w0.013: c55.919,25.95 r2.182
  circle w0.013: c96.5,46.6 r1.25
  circle w0.013: c104.5,46.6 r1.35
  circle w0.013: c93.419,25.95 r1.5
  circle w0.013: c104.85,13.6 r1.25
  circle w0.013: c104.5,3.6 r1.35
  circle w0.013: c4,15 r1.35
  circle w0.013: c4,25 r1.25
  circle w0.013: c11.5,46.6 r1.5
  circle w0.013: c11.5,46.6 r1.25
  circle w0.013: c4,35 r1.35
  circle w0.013: c11.5,3.6 r1.5
DimBot:
  text "ALL UNITS IN MM" at 84.5,53.271 h2
Drill Drawing:
  circle w0.254: c-90.176,43.955 r0.276
  circle w0.254: c-90.176,43.955 r0.46
  circle w0.254: c-90.176,23.257 r0.46
  lines w0.254: -90.636,25.096 -90.406,25.096 -90.406,24.866 -89.946,24.866 -89.946,25.096 -89.716,25.096 -89.716,25.556 -89.946,25.556 -89.946,25.786 -90.406,25.786 -90.406,25.556 -90.636,25.556 -90.636,25.096 ; -90.636,26.936 -90.636,27.166 -90.406,27.396 -90.636,27.626 -90.636,27.856 -90.406,27.856 -90.176,27.626 -89.946,27.856 -89.716,27.856 -89.716,27.626 -89.946,27.396 -89.716,27.166 -89.716,26.936 -89.946,26.936 -90.176,27.166 -90.406,26.936 -90.636,26.936 ; -90.636,29.236 -90.406,29.236 -90.406,29.006 -89.946,29.006 -89.946,29.236 -89.716,29.236 -89.716,29.696 -89.946,29.696 -89.946,29.926 -90.406,29.926 -90.406,29.696 -90.636,29.696 -90.636,29.236 ; -90.636,31.996 -89.716,31.996 -90.176,31.076 -90.636,31.996 ; -90.636,33.376 -90.406,33.376 -90.176,33.146 -89.946,33.376 -89.716,33.376 -89.946,33.606 -89.716,33.836 -89.946,33.836 -90.176,34.066 -90.406,33.836 -90.636,33.836 -90.406,33.606 -90.636,33.376 ; -90.636,35.216 -90.176,35.446 -89.716,35.216 -89.946,35.676 -89.716,36.136 -90.176,35.906 -90.636,36.136 -90.406,35.676 -90.636,35.216 ; -90.636,37.286 -89.716,37.286 -89.716,38.205 -90.636,38.205 -90.636,37.286 ; -90.636,40.275 -89.716,40.275 -90.176,39.355 -90.636,40.275 ; -90.636,41.885 -90.176,41.425 -89.716,41.885 -90.176,42.345 -90.636,41.885 ; -90.636,45.565 -89.716,45.565 -89.716,46.485 -90.636,46.485 -90.636,45.565 ; -90.452,29.328 -90.314,29.328 -90.314,29.19 -90.038,29.19 -90.038,29.328 -89.9,29.328 -89.9,29.604 -90.038,29.604 -90.038,29.742 -90.314,29.742 -90.314,29.604 -90.452,29.604 -90.452,29.328 ; -90.452,40.091 -89.9,40.091 -90.176,39.539 -90.452,40.091 ; -90.452,45.749 -89.9,45.749 -89.9,46.301 -90.452,46.301 -90.452,45.749
  lines w0.381: -91.497,22.176 -54.246,22.176 ; -91.497,47.014 -54.246,47.014 ; -86.178,20.106 -86.178,49.084 ; -81.31,20.106 -81.31,49.084 ; -71.752,20.106 -71.752,49.084 ; -67.626,20.106 -67.626,49.084 ; -91.497,20.106 -54.246,20.106 -54.246,49.084 -91.497,49.084 -91.497,20.106
  text "Symbol" at -90.255,47.635 h1.2
  text "Count" at -85.557,47.635 h1.2
  text "Hole Size" at -80.689,47.635 h1.2
  text "Plated" at -71.131,47.635 h1.2
  text "Drill Layer Pair" at -67.005,47.635 h1.2
  text "10" at -85.557,45.565 h1
  text "8,00mil (0,203mm)" at -80.689,45.565 h1
  text "PTH" at -71.131,45.565 h1
  text "Top Copper - Bottom Copper" at -67.005,45.565 h1
  text "883" at -85.557,43.495 h1
  text "10,00mil (0,254mm)" at -80.689,43.495 h1
  text "PTH" at -71.131,43.495 h1
  text "Top Copper - Bottom Copper" at -67.005,43.495 h1
  text "2" at -85.557,41.425 h1
  text "19,69mil (0,500mm)" at -80.689,41.425 h1
  text "PTH" at -71.131,41.425 h1
  text "Top Copper - Bottom Copper" at -67.005,41.425 h1
  text "4" at -85.557,39.355 h1
  text "27,56mil (0,700mm)" at -80.689,39.355 h1
  text "PTH" at -71.131,39.355 h1
  text "Top Copper - Bottom Copper" at -67.005,39.355 h1
  text "4" at -85.557,37.286 h1
  text "31,50mil (0,800mm)" at -80.689,37.286 h1
  text "PTH" at -71.131,37.286 h1
  text "Top Copper - Bottom Copper" at -67.005,37.286 h1
  text "14" at -85.557,35.216 h1
  text "35,43mil (0,900mm)" at -80.689,35.216 h1
  text "PTH" at -71.131,35.216 h1
  text "Top Copper - Bottom Copper" at -67.005,35.216 h1
  text "4" at -85.557,33.146 h1
  text "40,16mil (1,020mm)" at -80.689,33.146 h1
  text "PTH" at -71.131,33.146 h1
  text "Top Copper - Bottom Copper" at -67.005,33.146 h1
  text "2" at -85.557,31.076 h1
  text "66,93mil (1,700mm)" at -80.689,31.076 h1
  text "PTH" at -71.131,31.076 h1
  text "Top Copper - Bottom Copper" at -67.005,31.076 h1
  text "4" at -85.557,29.006 h1
  text "102,36mil (2,600mm)" at -80.689,29.006 h1
  text "PTH" at -71.131,29.006 h1
  text "Top Copper - Bottom Copper" at -67.005,29.006 h1
  text "4" at -85.557,26.936 h1
  text "108,27mil (2,750mm)" at -80.689,26.936 h1
  text "PTH" at -71.131,26.936 h1
  text "Top Copper - Bottom Copper" at -67.005,26.936 h1
  text "2" at -85.557,24.866 h1
  text "118,11mil (3,000mm)" at -80.689,24.866 h1
  text "PTH" at -71.131,24.866 h1
  text "Top Copper - Bottom Copper" at -67.005,24.866 h1
  text "2" at -85.557,22.797 h1
  text "125,98mil (3,200mm)" at -80.689,22.797 h1
  text "PTH" at -71.131,22.797 h1
  text "Top Copper - Bottom Copper" at -67.005,22.797 h1
  text "935 Total" at -85.557,20.727 h1
  text "Slot definitions :" at -90.255,19.278 h1
  text "Routed Path Length" at -83.444,19.278 h1
  text "= Calculated from tool start centre position to tool end centre position." at -75.003,19.278 h1
  text "Hole Length" at -83.444,18.45 h1
  text "= Routed Path Length + Tool Size = Slot length as defined in the PCB layout" at -78.136,18.45 h1

## Dimensions
10.495,0 to 10.5,50 on DimBot
0,10.5 to 108,2.5 on DimBot

## Text inside footprints (layer, text, board x,y; h text height)
J4: Bottom Overlay "1" at 10.5,35.625 h1; Bottom Overlay "10" at 19.425,38.4 h1 r270; Assembly Notes "Top contact ffc" at 10.844,40.608 h1 r180
J5: Bottom Overlay "1" at 33.025,19.75 h1 r90; Bottom Overlay "9" at 40.175,19.275 h1 r90
J9: Top Assembly "Flex edge" at 92.523,17.65 h0.5; Top Assembly "Board edge" at 92.323,19.05 h0.5; Bottom Assembly "Flex edge" at 94.323,17.65 h0.5; Bottom Assembly "Board edge" at 94.523,19.05 h0.5
J10: Top Assembly "Board edge" at 17.323,19.05 h0.5; Top Assembly "Flex edge" at 17.523,17.65 h0.5; Bottom Assembly "Board edge" at 19.523,19.05 h0.5; Bottom Assembly "Flex edge" at 19.323,17.65 h0.5
SW1: Bottom Overlay "ON" at 30.542,48.303 h1
U61: Assembly Notes "Based on 0.125 thick stencil" at 28.255,38.498 h0.5 r90